# KiCad board untitled.kicad_pcb (continued)
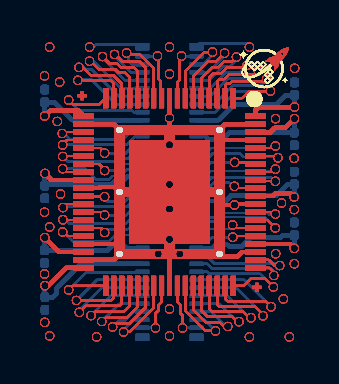
[diagram p0: board, top side]
## Placement (name value [footprint] x y rotation side) (continued)
J129  Conn_02x35_Counter_Clockwise_MountingPin  [CONN-SMD_70P-P0.40_HCTL_HC-PBB40C-70DP-0.4V-02]  6.26 5.58 270 bottom
J130  Conn_2Rows-76Pins  [waferspace_default_padring_v0.2]  6.26 5.58 180 top
J131  Conn_02x35_Counter_Clockwise_MountingPin  [CONN-SMD_70P-P0.40_HCTL_HC-PBB40C-70DP-0.4V-02]  6.26 5.58 270 bottom
J132  Conn_2Rows-76Pins  [waferspace_default_padring_v0.2]  6.26 5.58 180 top
J133  Conn_02x35_Counter_Clockwise_MountingPin  [CONN-SMD_70P-P0.40_HCTL_HC-PBB40C-70DP-0.4V-02]  6.26 5.58 270 bottom
J134  Conn_2Rows-76Pins  [waferspace_default_padring_v0.2]  6.26 5.58 180 top
J135  Conn_02x35_Counter_Clockwise_MountingPin  [CONN-SMD_70P-P0.40_HCTL_HC-PBB40C-70DP-0.4V-02]  6.26 5.58 270 bottom
J136  Conn_2Rows-76Pins  [waferspace_default_padring_v0.2]  6.26 5.58 180 top
J137  Conn_02x35_Counter_Clockwise_MountingPin  [CONN-SMD_70P-P0.40_HCTL_HC-PBB40C-70DP-0.4V-02]  6.26 5.58 270 bottom
J138  Conn_2Rows-76Pins  [waferspace_default_padring_v0.2]  6.26 5.58 180 top
J139  Conn_02x35_Counter_Clockwise_MountingPin  [CONN-SMD_70P-P0.40_HCTL_HC-PBB40C-70DP-0.4V-02]  6.26 5.58 270 bottom
J140  Conn_2Rows-76Pins  [waferspace_default_padring_v0.2]  6.26 5.58 180 top
J141  Conn_02x35_Counter_Clockwise_MountingPin  [CONN-SMD_70P-P0.40_HCTL_HC-PBB40C-70DP-0.4V-02]  6.26 5.58 270 bottom
J142  Conn_2Rows-76Pins  [waferspace_default_padring_v0.2]  6.26 5.58 180 top
J143  Conn_02x35_Counter_Clockwise_MountingPin  [CONN-SMD_70P-P0.40_HCTL_HC-PBB40C-70DP-0.4V-02]  6.26 5.58 270 bottom
J144  Conn_2Rows-76Pins  [waferspace_default_padring_v0.2]  6.26 5.58 180 top
J145  Conn_02x35_Counter_Clockwise_MountingPin  [CONN-SMD_70P-P0.40_HCTL_HC-PBB40C-70DP-0.4V-02]  6.26 5.58 270 bottom
J146  Conn_2Rows-76Pins  [waferspace_default_padring_v0.2]  6.26 5.58 180 top
J147  Conn_02x35_Counter_Clockwise_MountingPin  [CONN-SMD_70P-P0.40_HCTL_HC-PBB40C-70DP-0.4V-02]  6.26 5.58 270 bottom
J148  Conn_2Rows-76Pins  [waferspace_default_padring_v0.2]  6.26 5.58 180 top
J149  Conn_02x35_Counter_Clockwise_MountingPin  [CONN-SMD_70P-P0.40_HCTL_HC-PBB40C-70DP-0.4V-02]  6.26 5.58 270 bottom
J150  Conn_2Rows-76Pins  [waferspace_default_padring_v0.2]  6.26 5.58 180 top
J151  Conn_02x35_Counter_Clockwise_MountingPin  [CONN-SMD_70P-P0.40_HCTL_HC-PBB40C-70DP-0.4V-02]  6.26 5.58 270 bottom
J152  Conn_2Rows-76Pins  [waferspace_default_padring_v0.2]  6.26 5.58 180 top
J153  Conn_02x35_Counter_Clockwise_MountingPin  [CONN-SMD_70P-P0.40_HCTL_HC-PBB40C-70DP-0.4V-02]  6.26 5.58 270 bottom
J154  Conn_2Rows-76Pins  [waferspace_default_padring_v0.2]  6.26 5.58 180 top
J155  Conn_02x35_Counter_Clockwise_MountingPin  [CONN-SMD_70P-P0.40_HCTL_HC-PBB40C-70DP-0.4V-02]  6.26 5.58 270 bottom
J156  Conn_2Rows-76Pins  [waferspace_default_padring_v0.2]  6.26 5.58 180 top
J157  Conn_02x35_Counter_Clockwise_MountingPin  [CONN-SMD_70P-P0.40_HCTL_HC-PBB40C-70DP-0.4V-02]  6.26 5.58 270 bottom
J158  Conn_2Rows-76Pins  [waferspace_default_padring_v0.2]  6.26 5.58 180 top
J159  Conn_02x35_Counter_Clockwise_MountingPin  [CONN-SMD_70P-P0.40_HCTL_HC-PBB40C-70DP-0.4V-02]  6.26 5.58 270 bottom
J160  Conn_2Rows-76Pins  [waferspace_default_padring_v0.2]  6.26 5.58 180 top
J161  Conn_02x35_Counter_Clockwise_MountingPin  [CONN-SMD_70P-P0.40_HCTL_HC-PBB40C-70DP-0.4V-02]  6.26 5.58 270 bottom
J162  Conn_2Rows-76Pins  [waferspace_default_padring_v0.2]  6.26 5.58 180 top
J163  Conn_02x35_Counter_Clockwise_MountingPin  [CONN-SMD_70P-P0.40_HCTL_HC-PBB40C-70DP-0.4V-02]  6.26 5.58 270 bottom
J164  Conn_2Rows-76Pins  [waferspace_default_padring_v0.2]  6.26 5.58 180 top
J165  Conn_02x35_Counter_Clockwise_MountingPin  [CONN-SMD_70P-P0.40_HCTL_HC-PBB40C-70DP-0.4V-02]  6.26 5.58 270 bottom
J166  Conn_2Rows-76Pins  [waferspace_default_padring_v0.2]  6.26 5.58 180 top
J167  Conn_02x35_Counter_Clockwise_MountingPin  [CONN-SMD_70P-P0.40_HCTL_HC-PBB40C-70DP-0.4V-02]  6.26 5.58 270 bottom
J168  Conn_2Rows-76Pins  [waferspace_default_padring_v0.2]  6.26 5.58 180 top
J169  Conn_02x35_Counter_Clockwise_MountingPin  [CONN-SMD_70P-P0.40_HCTL_HC-PBB40C-70DP-0.4V-02]  6.26 5.58 270 bottom
J170  Conn_2Rows-76Pins  [waferspace_default_padring_v0.2]  6.26 5.58 180 top
J171  Conn_02x35_Counter_Clockwise_MountingPin  [CONN-SMD_70P-P0.40_HCTL_HC-PBB40C-70DP-0.4V-02]  6.26 5.58 270 bottom
J172  Conn_2Rows-76Pins  [waferspace_default_padring_v0.2]  6.26 5.58 180 top
J173  Conn_02x35_Counter_Clockwise_MountingPin  [CONN-SMD_70P-P0.40_HCTL_HC-PBB40C-70DP-0.4V-02]  6.26 5.58 270 bottom
J174  Conn_2Rows-76Pins  [waferspace_default_padring_v0.2]  6.26 5.58 180 top
J175  Conn_02x35_Counter_Clockwise_MountingPin  [CONN-SMD_70P-P0.40_HCTL_HC-PBB40C-70DP-0.4V-02]  6.26 5.58 270 bottom
J176  Conn_2Rows-76Pins  [waferspace_default_padring_v0.2]  6.26 5.58 180 top
J177  Conn_02x35_Counter_Clockwise_MountingPin  [CONN-SMD_70P-P0.40_HCTL_HC-PBB40C-70DP-0.4V-02]  6.26 5.58 270 bottom
J178  Conn_2Rows-76Pins  [waferspace_default_padring_v0.2]  6.26 5.58 180 top
J179  Conn_02x35_Counter_Clockwise_MountingPin  [CONN-SMD_70P-P0.40_HCTL_HC-PBB40C-70DP-0.4V-02]  6.26 5.58 270 bottom
J180  Conn_2Rows-76Pins  [waferspace_default_padring_v0.2]  6.26 5.58 180 top
J181  Conn_02x35_Counter_Clockwise_MountingPin  [CONN-SMD_70P-P0.40_HCTL_HC-PBB40C-70DP-0.4V-02]  6.26 5.58 270 bottom
J182  Conn_2Rows-76Pins  [waferspace_default_padring_v0.2]  6.26 5.58 180 top
J183  Conn_02x35_Counter_Clockwise_MountingPin  [CONN-SMD_70P-P0.40_HCTL_HC-PBB40C-70DP-0.4V-02]  6.26 5.58 270 bottom
J184  Conn_2Rows-76Pins  [waferspace_default_padring_v0.2]  6.26 5.58 180 top

## Library data of the parts
C101-C108 = -: Description: Unpolarized capacitor, small symbol; ki_fp_filters: C_*
C109-C436 = -: Description: Unpolarized capacitor, small symbol
J101 = -: Description: Generic connectable mounting pin connector, double row, 02x35, counter clockwise pin numbering scheme (similar to DIP packge numbering), script generated (kicad-library-utils/schlib/autogen/connector/); ki_fp_filters: Connector*:*_2x??-1MP*
J102 = -: Description: Generic connector, double row, 02x38, counter clockwise pin numbering scheme (similar to DIP packge numbering), script generated (kicad-library-utils/schlib/autogen/connector/); ki_fp_filters: Connector*:*_2x??_*
J103 J105 J107 J109 J111 J113 J115 J117 J119 J121 J123 J125 J127 J129 J131 J133 J135 J137 J139 J141 J143 J145 J147 J149 J151 J153 J155 J157 J159 J161 J163 J165 J167 J169 J171 J173 J175 J177 J179 J181 J183 = -: Description: Generic connectable mounting pin connector, double row, 02x35, counter clockwise pin numbering scheme (similar to DIP packge numbering), script generated (kicad-library-utils/schlib/autogen/connector/)
J104 J106 J108 J110 J112 J114 J116 J118 J120 J122 J124 J126 J128 J130 J132 J134 J136 J138 J140 J142 J144 J146 J148 J150 J152 J154 J156 J158 J160 J162 J164 J166 J168 J170 J172 J174 J176 J178 J180 J182 J184 = -: Description: Generic connector, double row, 02x38, counter clockwise pin numbering scheme (similar to DIP packge numbering), script generated (kicad-library-utils/schlib/autogen/connector/)

## Footprints (pads in the part's own frame, mm; a bottom-side part is the same pattern mirrored in y, then rotated)
C_0201_0603Metric
  rrect 0.318x0.36 smd: (-0.345,0) (0.345,0)
  rrect 0.46x0.4 smd: 1(-0.32,0) 2(0.32,0)
CONN-SMD_70P-P0.40_HCTL_HC-PBB40C-70DP-0.4V-02
  rect 0.2x0.66 smd: 1(-6.8,-1.355) 2(-6.4,-1.355) 3(-6,-1.355) 4(-5.6,-1.355) 5(-5.2,-1.355) 6(-4.8,-1.355) 7(-4.4,-1.355) 8(-4,-1.355) 9(-3.6,-1.355) 10(-3.2,-1.355) 11(-2.8,-1.355) 12(-2.4,-1.355) 13(-2,-1.355) 14(-1.6,-1.355) 15(-1.2,-1.355) 16(-0.8,-1.355) 17(-0.4,-1.355) 18(0,-1.355) 19(0.4,-1.355) 20(0.8,-1.355) 21(1.2,-1.355) 22(1.6,-1.355) 23(2,-1.355) 24(2.4,-1.355) 25(2.8,-1.355) 26(3.2,-1.355) 27(3.6,-1.355) 28(4,-1.355) 29(4.4,-1.355) 30(4.8,-1.355) 31(5.2,-1.355) 32(5.6,-1.355) 33(6,-1.355) 34(6.4,-1.355) 35(6.8,-1.355) 36(6.8,1.355) 37(6.4,1.355) 38(6,1.355) 39(5.6,1.355) 40(5.2,1.355) 41(4.8,1.355) 42(4.4,1.355) 43(4,1.355) 44(3.6,1.355) 45(3.2,1.355) 46(2.8,1.355) 47(2.4,1.355) 48(2,1.355) 49(1.6,1.355) 50(1.2,1.355) 51(0.8,1.355) 52(0.4,1.355) 53(0,1.355) 54(-0.4,1.355) 55(-0.8,1.355) 56(-1.2,1.355) 57(-1.6,1.355) 58(-2,1.355) 59(-2.4,1.355) 60(-2.8,1.355) 61(-3.2,1.355) 62(-3.6,1.355) 63(-4,1.355) 64(-4.4,1.355) 65(-4.8,1.355) 66(-5.2,1.355) 67(-5.6,1.355) 68(-6,1.355) 69(-6.4,1.355) 70(-6.8,1.355)
  rect 0.35x0.66 smd: MP(-7.275,-1.355) MP(-7.275,1.355) MP(7.275,-1.355) MP(7.275,1.355)
waferspace_default_padring_v0.2
  round 0.5 hole 0.3:  75(-2.5,3.1)  75(-2.5,0)  75(-2.5,-3.1)  75(2.5,3.1)  75(2.5,0)  75(2.5,-3.1)
  rect 0.25x1 smd: 1(-3.2,-4.7) 2(-2.8,-4.7) 3(-2.4,-4.7) 4(-2,-4.7) 5(-1.6,-4.7) 6(-1.2,-4.7) 7(-0.8,-4.7) 8(-0.4,-4.7) 9(0,-4.7) 10(0.4,-4.7) 11(0.8,-4.7) 12(1.2,-4.7) 13(1.6,-4.7) 14(2,-4.7) 15(2.4,-4.7) 16(2.8,-4.7) 17(3.2,-4.7) 38(3.2,4.7) 39(2.8,4.7) 40(2.4,4.7) 41(2,4.7) 42(1.6,4.7) 43(1.2,4.7) 44(0.8,4.7) 45(0.4,4.7) 46(0,4.7) 47(-0.4,4.7) 48(-0.8,4.7) 49(-1.2,4.7) 50(-1.6,4.7) 51(-2,4.7) 52(-2.4,4.7) 53(-2.8,4.7) 54(-3.2,4.7)
  rect 1x0.25 smd: 18(4.3,-3.8) 19(4.3,-3.4) 20(4.3,-3) 21(4.3,-2.6) 22(4.3,-2.2) 23(4.3,-1.8) 24(4.3,-1.4) 25(4.3,-1) 26(4.3,-0.6) 27(4.3,-0.2) 28(4.3,0.2) 29(4.3,0.6) 30(4.3,1) 31(4.3,1.4) 32(4.3,1.8) 33(4.3,2.2) 34(4.3,2.6) 35(4.3,3) 36(4.3,3.4) 37(4.3,3.8) 55(-4.3,3.8) 56(-4.3,3.4) 57(-4.3,3) 58(-4.3,2.6) 59(-4.3,2.2) 60(-4.3,1.8) 61(-4.3,1.4) 62(-4.3,1) 63(-4.3,0.6) 64(-4.3,0.2) 65(-4.3,-0.2) 66(-4.3,-0.6) 67(-4.3,-1) 68(-4.3,-1.4) 69(-4.3,-1.8) 70(-4.3,-2.2) 71(-4.3,-2.6) 72(-4.3,-3) 73(-4.3,-3.4) 74(-4.3,-3.8)
  rrect 4x5.2 smd: 75(0,0)

## Nets
GND: C101.2 C102.2 C103.2 C104.2 C105.2 C106.2 C107.2 C108.2 C109.2 C110.2 C111.2 C112.2 C113.2 C114.2 C115.2 C116.2 C117.2 C118.2 C119.2 C120.2 C121.2 C122.2 C123.2 C124.2 C125.2 C126.2 C127.2 C128.2 C129.2 C130.2 C131.2 C132.2 C133.2 C134.2 C135.2 C136.2 C137.2 C138.2 C139.2 C140.2 C141.2 C142.2 C143.2 C144.2 C145.2 C146.2 C147.2 C148.2 C149.2 C150.2 C151.2 C152.2 C153.2 C154.2 C155.2 C156.2 C157.2 C158.2 C159.2 C160.2 C161.2 C162.2 C163.2 C164.2 C165.2 C166.2 C167.2 C168.2 C169.2 C170.2 C171.2 C172.2 C173.2 C174.2 C175.2 C176.2 C177.2 C178.2 C179.2 C180.2 C181.2 C182.2 C183.2 C184.2 C185.2 C186.2 C187.2 C188.2 C189.2 C190.2 C191.2 C192.2 C193.2 C194.2 C195.2 C196.2 C197.2 C198.2 C199.2 C200.2 C201.2 C202.2 C203.2 C204.2 C205.2 C206.2 C207.2 C208.2 C209.2 C210.2 C211.2 C212.2 C213.2 C214.2 C215.2 C216.2 C217.2 C218.2 C219.2 C220.2 C221.2 C222.2 C223.2 C224.2 C225.2 C226.2 C227.2 C228.2 C229.2 C230.2 C231.2 C232.2 C233.2 C234.2 C235.2 C236.2 C237.2 C238.2 C239.2 C240.2 C241.2 C242.2 C243.2 C244.2 C245.2 C246.2 C247.2 C248.2 C249.2 C250.2 C251.2 C252.2 C253.2 C254.2 C255.2 C256.2 C257.2 C258.2 C259.2 C260.2 C261.2 C262.2 C263.2 C264.2 C265.2 C266.2 C267.2 C268.2 C269.2 C270.2 C271.2 C272.2 C273.2 C274.2 C275.2 C276.2 C277.2 C278.2 C279.2 C280.2 C281.2 C282.2 C283.2 C284.2 C285.2 C286.2 C287.2 C288.2 C289.2 C290.2 C291.2 C292.2 C293.2 C294.2 C295.2 C296.2 C297.2 C298.2 C299.2 C300.2 C301.2 C302.2 C303.2 C304.2 C305.2 C306.2 C307.2 C308.2 C309.2 C310.2 C311.2 C312.2 C313.2 C314.2 C315.2 C316.2 C317.2 C318.2 C319.2 C320.2 C321.2 C322.2 C323.2 C324.2 C325.2 C326.2 C327.2 C328.2 C329.2 C330.2 C331.2 C332.2 C333.2 C334.2 C335.2 C336.2 C337.2 C338.2 C339.2 C340.2 C341.2 C342.2 C343.2 C344.2 C345.2 C346.2 C347.2 C348.2 C349.2 C350.2 C351.2 C352.2 C353.2 C354.2 C355.2 C356.2 C357.2 C358.2 C359.2 C360.2 C361.2 C362.2 C363.2 C364.2 C365.2 C366.2 C367.2 C368.2 C369.2 C370.2 C371.2 C372.2 C373.2 C374.2 C375.2 C376.2 C377.2 C378.2 C379.2 C380.2 C381.2 C382.2 C383.2 C384.2 C385.2 C386.2 C387.2 C388.2 C389.2 C390.2 C391.2 C392.2 C393.2 C394.2 C395.2 C396.2 C397.2 C398.2 C399.2 C400.2 C401.2 C402.2 C403.2 C404.2 C405.2 C406.2 C407.2 C408.2 C409.2 C410.2 C411.2 C412.2 C413.2 C414.2 C415.2 C416.2 C417.2 C418.2 C419.2 C420.2 C421.2 C422.2 C423.2 C424.2 C425.2 C426.2 C427.2 C428.2 C429.2 C430.2 C431.2 C432.2 C433.2 C434.2 C435.2 C436.2 J101.10 J101.12 J101.20 J101.45 J101.47 J101.54 J101.MP J102.9 J102.19 J102.27 J102.34 J102.36 J102.46 J102.57 J102.63 J102.71 J102.73 J102.75 J103.10 J103.12 J103.20 J103.45 J103.47 J103.54 J103.MP J104.9 J104.19 J104.27 J104.34 J104.36 J104.46 J104.57 J104.63 J104.71 J104.73 J104.75 J105.10 J105.12 J105.20 J105.45 J105.47 J105.54 J105.MP J106.9 J106.19 J106.27 J106.34 J106.36 J106.46 J106.57 J106.63 J106.71 J106.73 J106.75 J107.10 J107.12 J107.20 J107.45 J107.47 J107.54 J107.MP J108.9 J108.19 J108.27 J108.34 J108.36 J108.46 J108.57 J108.63 J108.71 J108.73 J108.75 J109.10 J109.12 J109.20 J109.45 J109.47 J109.54 J109.MP J110.9 J110.19 J110.27 J110.34 J110.36 J110.46 J110.57 J110.63 J110.71 J110.73 J110.75 J111.10 J111.12 J111.20 J111.45 J111.47 J111.54 J111.MP J112.9 J112.19 J112.27 J112.34 J112.36 J112.46 J112.57 J112.63 J112.71 J112.73 J112.75 J113.10 J113.12 J113.20 J113.45 J113.47 J113.54 J113.MP J114.9 J114.19 J114.27 J114.34 J114.36 J114.46 J114.57 J114.63 J114.71 J114.73 J114.75 J115.10 J115.12 J115.20 J115.45 J115.47 J115.54 J115.MP J116.9 J116.19 J116.27 J116.34 J116.36 J116.46 J116.57 J116.63 J116.71 J116.73 J116.75 J117.10 J117.12 J117.20 J117.45 J117.47 J117.54 J117.MP J118.9 J118.19 J118.27 J118.34 J118.36 J118.46 J118.57 J118.63 J118.71 J118.73 J118.75 J119.10 J119.12 J119.20 J119.45 J119.47 J119.54 J119.MP J120.9 J120.19 J120.27 J120.34 J120.36 J120.46 J120.57 J120.63 J120.71 J120.73 J120.75 J121.10 J121.12 J121.20 J121.45 J121.47 J121.54 J121.MP J122.9 J122.19 J122.27 J122.34 J122.36 J122.46 J122.57 J122.63 J122.71 J122.73 J122.75 J123.10 J123.12 J123.20 J123.45 J123.47 J123.54 J123.MP J124.9 J124.19 J124.27 J124.34 J124.36 J124.46 J124.57 J124.63 J124.71 J124.73 J124.75 J125.10 J125.12 J125.20 J125.45 J125.47 J125.54 J125.MP J126.9 J126.19 J126.27 J126.34 J126.36 J126.46 J126.57 J126.63 J126.71 J126.73 J126.75 J127.10 J127.12 J127.20 J127.45 J127.47 J127.54 J127.MP J128.9 J128.19 J128.27 J128.34 J128.36 J128.46 J128.57 J128.63 J128.71 J128.73 J128.75 J129.10 J129.12 J129.20 J129.45 J129.47 J129.54 J129.MP J130.9 J130.19 J130.27 J130.34 J130.36 J130.46 J130.57 J130.63 J130.71 J130.73 J130.75 J131.10 J131.12 J131.20 J131.45 J131.47 J131.54 J131.MP J132.9 J132.19 J132.27 J132.34 J132.36 J132.46 J132.57 J132.63 J132.71 J132.73 J132.75 J133.10 J133.12 J133.20 J133.45 J133.47 J133.54 J133.MP J134.9 J134.19 J134.27 J134.34 J134.36 J134.46 J134.57 J134.63 J134.71 J134.73 J134.75 J135.10 J135.12 J135.20 J135.45 J135.47 J135.54 J135.MP J136.9 J136.19 J136.27 J136.34 J136.36 J136.46 J136.57 J136.63 J136.71 J136.73 J136.75 J137.10 J137.12 J137.20 J137.45 J137.47 J137.54 J137.MP J138.9 J138.19 J138.27 J138.34 J138.36 J138.46 J138.57 J138.63 J138.71 J138.73 J138.75 J139.10 J139.12 J139.20 J139.45 J139.47 J139.54 J139.MP J140.9 J140.19 J140.27 J140.34 J140.36 J140.46 J140.57 J140.63 J140.71 J140.73 J140.75 J141.10 J141.12 J141.20 J141.45 J141.47 J141.54 J141.MP J142.9 J142.19 J142.27 J142.34 J142.36 J142.46 J142.57 J142.63 J142.71 J142.73 J142.75 J143.10 J143.12 J143.20 J143.45 J143.47 J143.54 J143.MP J144.9 J144.19 J144.27 J144.34 J144.36 J144.46 J144.57 J144.63 J144.71 J144.73 J144.75 J145.10 J145.12 J145.20 J145.45 J145.47 J145.54 J145.MP J146.9 J146.19 J146.27 J146.34 J146.36 J146.46 J146.57 J146.63 J146.71 J146.73 J146.75 J147.10 J147.12 J147.20 J147.45 J147.47 J147.54 J147.MP J148.9 J148.19 J148.27 J148.34 J148.36 J148.46 J148.57 J148.63 J148.71 J148.73 J148.75 J149.10 J149.12 J149.20 J149.45 J149.47 J149.54 J149.MP J150.9 J150.19 J150.27 J150.34 J150.36 J150.46 J150.57 J150.63 J150.71 J150.73 J150.75 J151.10 J151.12 J151.20 J151.45 J151.47 J151.54 J151.MP J152.9 J152.19 J152.27 J152.34 J152.36 J152.46 J152.57 J152.63 J152.71 J152.73 J152.75 J153.10 J153.12 J153.20 J153.45 J153.47 J153.54 J153.MP J154.9 J154.19 J154.27 J154.34 J154.36 J154.46 J154.57 J154.63 J154.71 J154.73 J154.75 J155.10 J155.12 J155.20 J155.45 J155.47 J155.54 J155.MP J156.9 J156.19 J156.27 J156.34 J156.36 J156.46 J156.57 J156.63 J156.71 J156.73 J156.75 J157.10 J157.12 J157.20 J157.45 J157.47 J157.54 J157.MP J158.9 J158.19 J158.27 J158.34 J158.36 J158.46 J158.57 J158.63 J158.71 J158.73 J158.75 J159.10 J159.12 J159.20 J159.45 J159.47 J159.54 J159.MP J160.9 J160.19 J160.27 J160.34 J160.36 J160.46 J160.57 J160.63 J160.71 J160.73 J160.75 J161.10 J161.12 J161.20 J161.45 J161.47 J161.54 J161.MP J162.9 J162.19 J162.27 J162.34 J162.36 J162.46 J162.57 J162.63 J162.71 J162.73 J162.75 J163.10 J163.12 J163.20 J163.45 J163.47 J163.54 J163.MP J164.9 J164.19 J164.27 J164.34 J164.36 J164.46 J164.57 J164.63 J164.71 J164.73 J164.75 J165.10 J165.12 J165.20 J165.45 J165.47 J165.54 J165.MP J166.9 J166.19 J166.27 J166.34 J166.36 J166.46 J166.57 J166.63 J166.71 J166.73 J166.75 J167.10 J167.12 J167.20 J167.45 J167.47 J167.54 J167.MP J168.9 J168.19 J168.27 J168.34 J168.36 J168.46 J168.57 J168.63 J168.71 J168.73 J168.75 J169.10 J169.12 J169.20 J169.45 J169.47 J169.54 J169.MP J170.9 J170.19 J170.27 J170.34 J170.36 J170.46 J170.57 J170.63 J170.71 J170.73 J170.75 J171.10 J171.12 J171.20 J171.45 J171.47 J171.54 J171.MP J172.9 J172.19 J172.27 J172.34 J172.36 J172.46 J172.57 J172.63 J172.71 J172.73 J172.75 J173.10 J173.12 J173.20 J173.45 J173.47 J173.54 J173.MP J174.9 J174.19 J174.27 J174.34 J174.36 J174.46 J174.57 J174.63 J174.71 J174.73 J174.75 J175.10 J175.12 J175.20 J175.45 J175.47 J175.54 J175.MP J176.9 J176.19 J176.27 J176.34 J176.36 J176.46 J176.57 J176.63 J176.71 J176.73 J176.75 J177.10 J177.12 J177.20 J177.45 J177.47 J177.54 J177.MP J178.9 J178.19 J178.27 J178.34 J178.36 J178.46 J178.57 J178.63 J178.71 J178.73 J178.75 J179.10 J179.12 J179.20 J179.45 J179.47 J179.54 J179.MP J180.9 J180.19 J180.27 J180.34 J180.36 J180.46 J180.57 J180.63 J180.71 J180.73 J180.75 J181.10 J181.12 J181.20 J181.45 J181.47 J181.54 J181.MP J182.9 J182.19 J182.27 J182.34 J182.36 J182.46 J182.57 J182.63 J182.71 J182.73 J182.75 J183.10 J183.12 J183.20 J183.45 J183.47 J183.54 J183.MP J184.9 J184.19 J184.27 J184.34 J184.36 J184.46 J184.57 J184.63 J184.71 J184.73 J184.75
/PIN 1: J101.70 J102.10 J103.70 J104.10 J105.70 J106.10 J107.70 J108.10 J109.70 J110.10 J111.70 J112.10 J113.70 J114.10 J115.70 J116.10 J117.70 J118.10 J119.70 J120.10 J121.70 J122.10 J123.70 J124.10 J125.70 J126.10 J127.70 J128.10 J129.70 J130.10 J131.70 J132.10 J133.70 J134.10 J135.70 J136.10 J137.70 J138.10 J139.70 J140.10 J141.70 J142.10 J143.70 J144.10 J145.70 J146.10 J147.70 J148.10 J149.70 J150.10 J151.70 J152.10 J153.70 J154.10 J155.70 J156.10 J157.70 J158.10 J159.70 J160.10 J161.70 J162.10 J163.70 J164.10 J165.70 J166.10 J167.70 J168.10 J169.70 J170.10 J171.70 J172.10 J173.70 J174.10 J175.70 J176.10 J177.70 J178.10 J179.70 J180.10 J181.70 J182.10 J183.70 J184.10
/PIN 2: J101.69 J102.11 J103.69 J104.11 J105.69 J106.11 J107.69 J108.11 J109.69 J110.11 J111.69 J112.11 J113.69 J114.11 J115.69 J116.11 J117.69 J118.11 J119.69 J120.11 J121.69 J122.11 J123.69 J124.11 J125.69 J126.11 J127.69 J128.11 J129.69 J130.11 J131.69 J132.11 J133.69 J134.11 J135.69 J136.11 J137.69 J138.11 J139.69 J140.11 J141.69 J142.11 J143.69 J144.11 J145.69 J146.11 J147.69 J148.11 J149.69 J150.11 J151.69 J152.11 J153.69 J154.11 J155.69 J156.11 J157.69 J158.11 J159.69 J160.11 J161.69 J162.11 J163.69 J164.11 J165.69 J166.11 J167.69 J168.11 J169.69 J170.11 J171.69 J172.11 J173.69 J174.11 J175.69 J176.11 J177.69 J178.11 J179.69 J180.11 J181.69 J182.11 J183.69 J184.11
/PIN 3: J101.68 J102.12 J103.68 J104.12 J105.68 J106.12 J107.68 J108.12 J109.68 J110.12 J111.68 J112.12 J113.68 J114.12 J115.68 J116.12 J117.68 J118.12 J119.68 J120.12 J121.68 J122.12 J123.68 J124.12 J125.68 J126.12 J127.68 J128.12 J129.68 J130.12 J131.68 J132.12 J133.68 J134.12 J135.68 J136.12 J137.68 J138.12 J139.68 J140.12 J141.68 J142.12 J143.68 J144.12 J145.68 J146.12 J147.68 J148.12 J149.68 J150.12 J151.68 J152.12 J153.68 J154.12 J155.68 J156.12 J157.68 J158.12 J159.68 J160.12 J161.68 J162.12 J163.68 J164.12 J165.68 J166.12 J167.68 J168.12 J169.68 J170.12 J171.68 J172.12 J173.68 J174.12 J175.68 J176.12 J177.68 J178.12 J179.68 J180.12 J181.68 J182.12 J183.68 J184.12
/PIN 4: J101.67 J102.13 J103.67 J104.13 J105.67 J106.13 J107.67 J108.13 J109.67 J110.13 J111.67 J112.13 J113.67 J114.13 J115.67 J116.13 J117.67 J118.13 J119.67 J120.13 J121.67 J122.13 J123.67 J124.13 J125.67 J126.13 J127.67 J128.13 J129.67 J130.13 J131.67 J132.13 J133.67 J134.13 J135.67 J136.13 J137.67 J138.13 J139.67 J140.13 J141.67 J142.13 J143.67 J144.13 J145.67 J146.13 J147.67 J148.13 J149.67 J150.13 J151.67 J152.13 J153.67 J154.13 J155.67 J156.13 J157.67 J158.13 J159.67 J160.13 J161.67 J162.13 J163.67 J164.13 J165.67 J166.13 J167.67 J168.13 J169.67 J170.13 J171.67 J172.13 J173.67 J174.13 J175.67 J176.13 J177.67 J178.13 J179.67 J180.13 J181.67 J182.13 J183.67 J184.13
/PIN 5: J101.66 J102.14 J103.66 J104.14 J105.66 J106.14 J107.66 J108.14 J109.66 J110.14 J111.66 J112.14 J113.66 J114.14 J115.66 J116.14 J117.66 J118.14 J119.66 J120.14 J121.66 J122.14 J123.66 J124.14 J125.66 J126.14 J127.66 J128.14 J129.66 J130.14 J131.66 J132.14 J133.66 J134.14 J135.66 J136.14 J137.66 J138.14 J139.66 J140.14 J141.66 J142.14 J143.66 J144.14 J145.66 J146.14 J147.66 J148.14 J149.66 J150.14 J151.66 J152.14 J153.66 J154.14 J155.66 J156.14 J157.66 J158.14 J159.66 J160.14 J161.66 J162.14 J163.66 J164.14 J165.66 J166.14 J167.66 J168.14 J169.66 J170.14 J171.66 J172.14 J173.66 J174.14 J175.66 J176.14 J177.66 J178.14 J179.66 J180.14 J181.66 J182.14 J183.66 J184.14
/PIN 6: J101.65 J102.15 J103.65 J104.15 J105.65 J106.15 J107.65 J108.15 J109.65 J110.15 J111.65 J112.15 J113.65 J114.15 J115.65 J116.15 J117.65 J118.15 J119.65 J120.15 J121.65 J122.15 J123.65 J124.15 J125.65 J126.15 J127.65 J128.15 J129.65 J130.15 J131.65 J132.15 J133.65 J134.15 J135.65 J136.15 J137.65 J138.15 J139.65 J140.15 J141.65 J142.15 J143.65 J144.15 J145.65 J146.15 J147.65 J148.15 J149.65 J150.15 J151.65 J152.15 J153.65 J154.15 J155.65 J156.15 J157.65 J158.15 J159.65 J160.15 J161.65 J162.15 J163.65 J164.15 J165.65 J166.15 J167.65 J168.15 J169.65 J170.15 J171.65 J172.15 J173.65 J174.15 J175.65 J176.15 J177.65 J178.15 J179.65 J180.15 J181.65 J182.15 J183.65 J184.15
/PIN 7: J101.64 J102.16 J103.64 J104.16 J105.64 J106.16 J107.64 J108.16 J109.64 J110.16 J111.64 J112.16 J113.64 J114.16 J115.64 J116.16 J117.64 J118.16 J119.64 J120.16 J121.64 J122.16 J123.64 J124.16 J125.64 J126.16 J127.64 J128.16 J129.64 J130.16 J131.64 J132.16 J133.64 J134.16 J135.64 J136.16 J137.64 J138.16 J139.64 J140.16 J141.64 J142.16 J143.64 J144.16 J145.64 J146.16 J147.64 J148.16 J149.64 J150.16 J151.64 J152.16 J153.64 J154.16 J155.64 J156.16 J157.64 J158.16 J159.64 J160.16 J161.64 J162.16 J163.64 J164.16 J165.64 J166.16 J167.64 J168.16 J169.64 J170.16 J171.64 J172.16 J173.64 J174.16 J175.64 J176.16 J177.64 J178.16 J179.64 J180.16 J181.64 J182.16 J183.64 J184.16
/PIN 8: J101.63 J102.17 J103.63 J104.17 J105.63 J106.17 J107.63 J108.17 J109.63 J110.17 J111.63 J112.17 J113.63 J114.17 J115.63 J116.17 J117.63 J118.17 J119.63 J120.17 J121.63 J122.17 J123.63 J124.17 J125.63 J126.17 J127.63 J128.17 J129.63 J130.17 J131.63 J132.17 J133.63 J134.17 J135.63 J136.17 J137.63 J138.17 J139.63 J140.17 J141.63 J142.17 J143.63 J144.17 J145.63 J146.17 J147.63 J148.17 J149.63 J150.17 J151.63 J152.17 J153.63 J154.17 J155.63 J156.17 J157.63 J158.17 J159.63 J160.17 J161.63 J162.17 J163.63 J164.17 J165.63 J166.17 J167.63 J168.17 J169.63 J170.17 J171.63 J172.17 J173.63 J174.17 J175.63 J176.17 J177.63 J178.17 J179.63 J180.17 J181.63 J182.17 J183.63 J184.17
/PIN 9: C107.1 C115.1 C123.1 C131.1 C139.1 C147.1 C155.1 C163.1 C171.1 C179.1 C187.1 C195.1 C203.1 C211.1 C219.1 C227.1 C235.1 C243.1 C251.1 C259.1 C267.1 C275.1 C283.1 C291.1 C299.1 C307.1 C315.1 C323.1 C331.1 C339.1 C347.1 C355.1 C363.1 C371.1 C379.1 C387.1 C395.1 C403.1 C411.1 C419.1 C427.1 C435.1 J101.62 J102.18 J103.62 J104.18 J105.62 J106.18 J107.62 J108.18 J109.62 J110.18 J111.62 J112.18 J113.62 J114.18 J115.62 J116.18 J117.62 J118.18 J119.62 J120.18 J121.62 J122.18 J123.62 J124.18 J125.62 J126.18 J127.62 J128.18 J129.62 J130.18 J131.62 J132.18 J133.62 J134.18 J135.62 J136.18 J137.62 J138.18 J139.62 J140.18 J141.62 J142.18 J143.62 J144.18 J145.62 J146.18 J147.62 J148.18 J149.62 J150.18 J151.62 J152.18 J153.62 J154.18 J155.62 J156.18 J157.62 J158.18 J159.62 J160.18 J161.62 J162.18 J163.62 J164.18 J165.62 J166.18 J167.62 J168.18 J169.62 J170.18 J171.62 J172.18 J173.62 J174.18 J175.62 J176.18 J177.62 J178.18 J179.62 J180.18 J181.62 J182.18 J183.62 J184.18
/PIN 10: J101.61 J102.20 J103.61 J104.20 J105.61 J106.20 J107.61 J108.20 J109.61 J110.20 J111.61 J112.20 J113.61 J114.20 J115.61 J116.20 J117.61 J118.20 J119.61 J120.20 J121.61 J122.20 J123.61 J124.20 J125.61 J126.20 J127.61 J128.20 J129.61 J130.20 J131.61 J132.20 J133.61 J134.20 J135.61 J136.20 J137.61 J138.20 J139.61 J140.20 J141.61 J142.20 J143.61 J144.20 J145.61 J146.20 J147.61 J148.20 J149.61 J150.20 J151.61 J152.20 J153.61 J154.20 J155.61 J156.20 J157.61 J158.20 J159.61 J160.20 J161.61 J162.20 J163.61 J164.20 J165.61 J166.20 J167.61 J168.20 J169.61 J170.20 J171.61 J172.20 J173.61 J174.20 J175.61 J176.20 J177.61 J178.20 J179.61 J180.20 J181.61 J182.20 J183.61 J184.20
